# KiCad board NCU.kicad_pcb (continued)
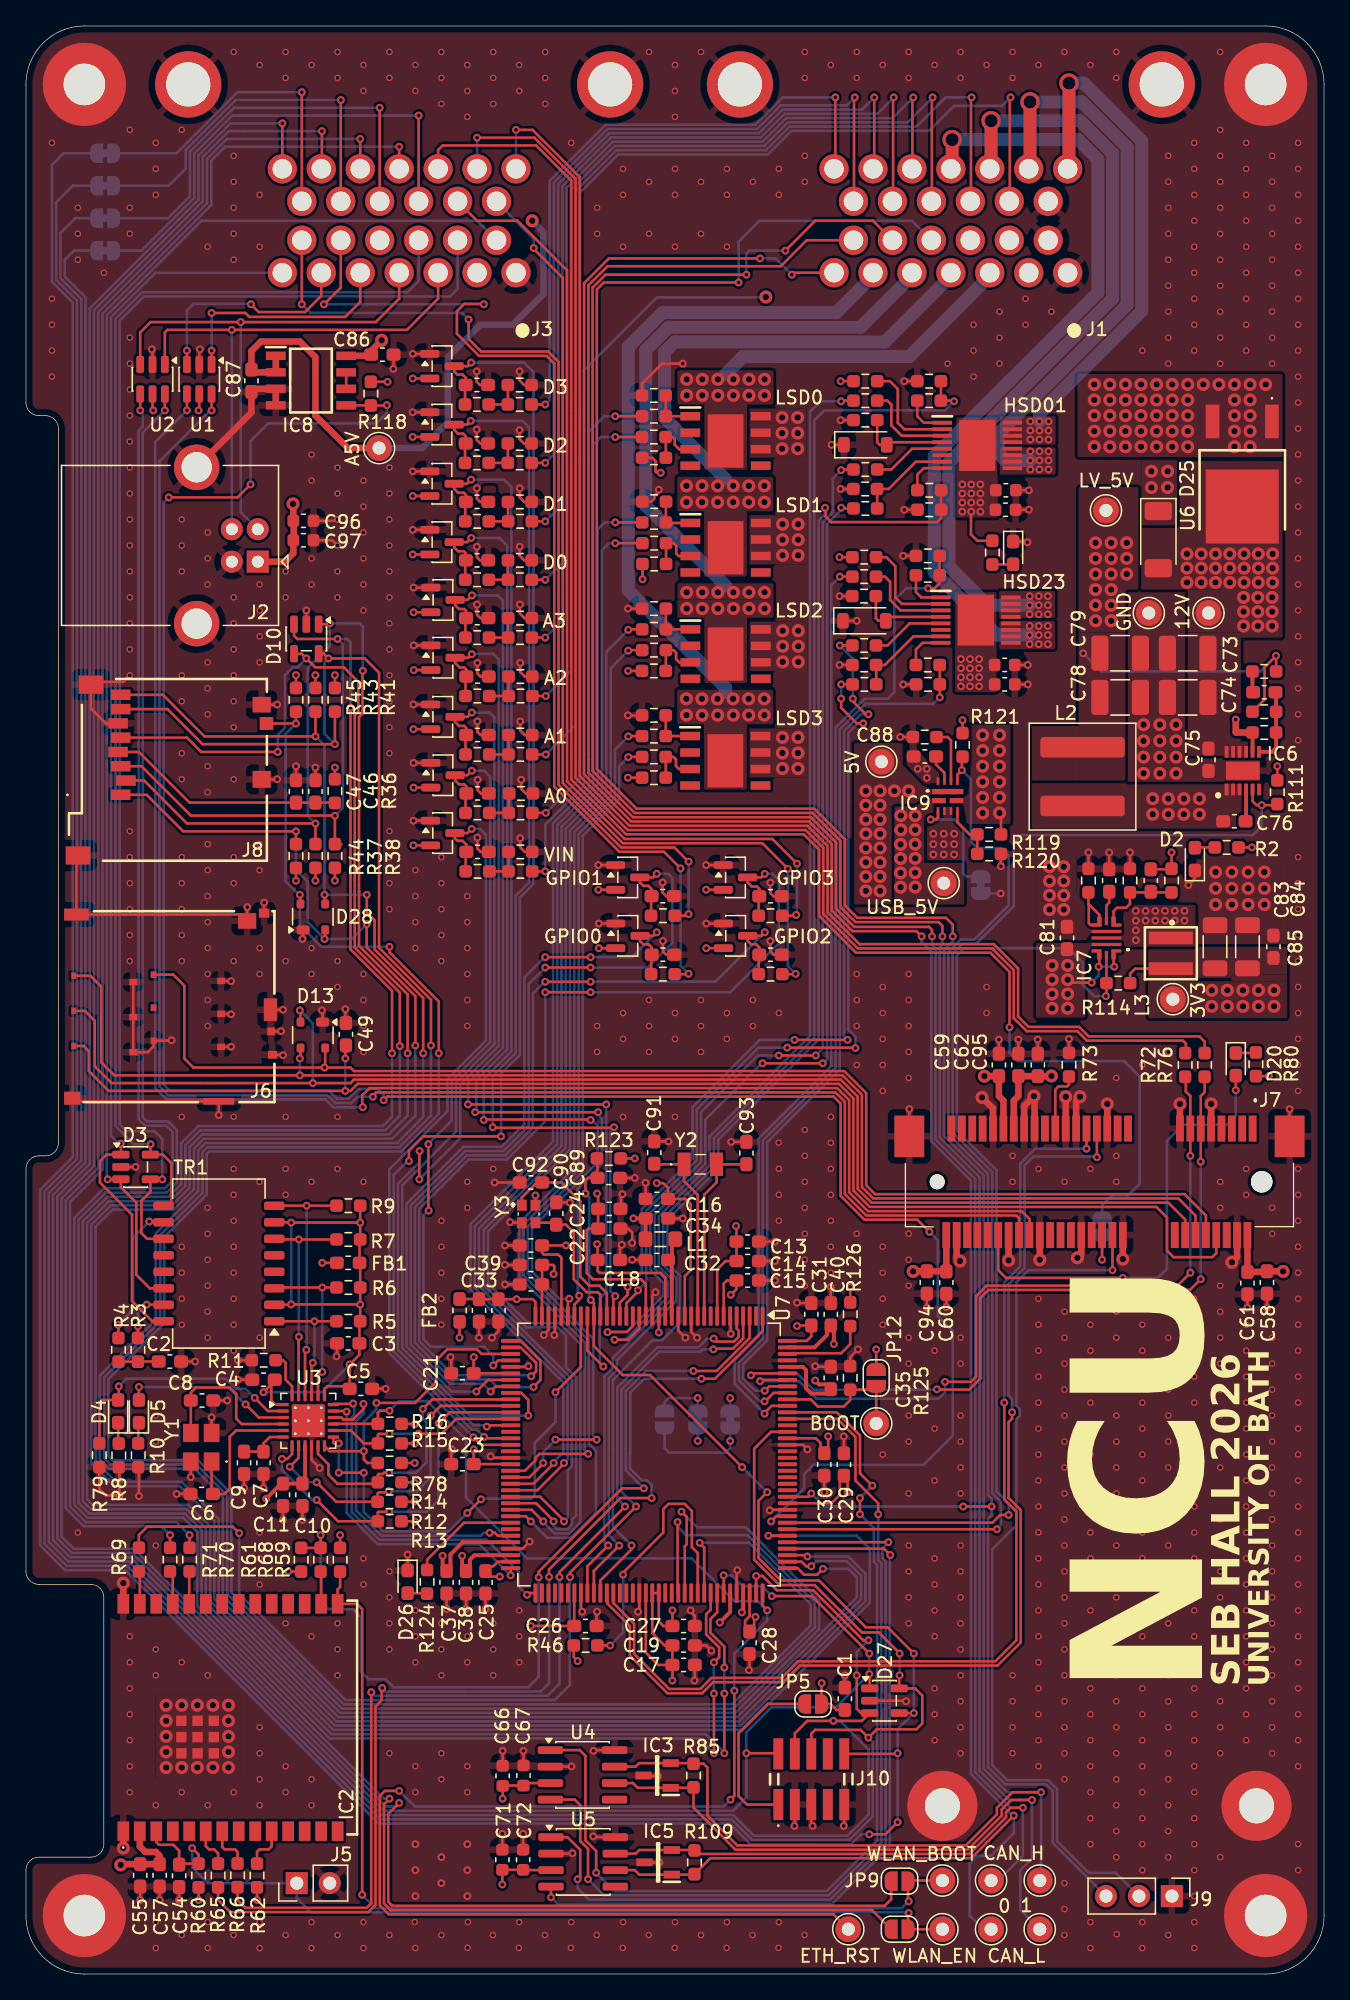
[diagram p0: board, top side]
## Nets (continued)
GND: C1.2 C2.2 C3.2 C4.2 C5.2 C6.2 C7.2 C8.2 C9.2 C10.2 C11.2 C12.2 C13.2 C14.2 C15.2 C16.2 C17.2 C18.2 C19.2 C20.2 C21.2 C22.2 C23.2 C24.2 C25.2 C26.2 C27.2 C28.2 C29.2 C30.2 C31.2 C32.2 C33.2 C34.2 C35.2 C36.2 C37.2 C38.2 C39.2 C40.2 C41.2 C42.2 C43.2 C44.2 C45.2 C46.2 C47.2 C48.2 C49.2 C50.2 C51.2 C52.2 C53.2 C54.2 C55.2 C56.2 C57.2 C58.2 C59.2 C60.2 C61.2 C62.2 C63.2 C64.2 C65.2 C66.2 C67.2 C68.2 C69.2 C70.2 C71.2 C72.2 C73.2 C74.2 C75.2 C78.2 C79.2 C80.2 C81.2 C83.2 C84.2 C85.2 C86.2 C87.2 C88.2 C89.2 C90.2 C91.2 C92.2 C93.2 C94.2 C95.2 C96.2 C97.2 D1.1 D2.1 D3.2 D6.1 D7.1 D8.1 D9.1 D10.2 D11.1 D13.1 D14.1 D15.1 D16.1 D17.1 D18.1 D19.1 D21.1 D22.1 D23.1 D24.1 D26.1 D27.2 D28.1 H1.1 H2.1 H3.1 H4.1 H5.1 H6.1 IC2.1 IC2.28 IC2.29 IC2.30 IC2.31 IC2.32 IC2.33 IC2.34 IC2.35 IC2.36 IC2.37 IC3.3 IC5.3 IC6.13 IC7.4 IC8.3 IC8.4 IC9.4 IC9.5 IC9.12 J1.1 J1.8 J1.14 J1.MH1 J1.MH2 J2.4 J2.5 J3.1 J3.MH1 J3.MH2 J5.2 J6.C5 J6.D1 J6.D2 J6.D3 J6.D4 J6.D5 J6.D6 J6.DSW1 J6.DSW2 J6.G1 J6.G2 J6.G3 J6.G4 J6.G5 J6.G6 J7.4 J7.9 J7.15 J7.18 J7.21 J7.26 J7.27 J7.29 J7.34 J7.35 J7.37 J7.40 J7.43 J7.50 J7.MP1 J7.MP2 J8.6 J8.G1 J8.G2 J8.G3 J8.G4 J9.1 J10.3 J10.5 J10.9 JP11.2 NT2.1 R8.1 R10.2 R11.1 R18.2 R22.2 R24.2 R25.2 R31.1 R32.2 R40.2 R48.2 R51.2 R54.2 R57.2 R64.2 R73.2 R75.2 R79.2 R82.2 R88.2 R92.2 R94.2 R95.2 R101.1 R102.2 R106.2 R115.1 R117.1 R120.2 R122.2 R125.2 S1.6 S1.7 S1.8 S2.6 S2.7 S2.8 S3.6 S3.7 S3.8 S4.6 S4.7 S4.8 TP2.1 U1.2 U2.2 U3.10 U3.25 U4.2 U4.8 U5.2 U5.8 U6.1 U7.6 U7.12 U7.14 U7.18 U7.33 U7.34 U7.41 U7.55 U7.69 U7.80 U7.89 U7.104 U7.118 U7.128 U7.141 Y1.2 Y1.4 Y3.2 Y3.4
/CARD_SD/SD_CD: D28.4 J8.9 R45.2 U7.99
/CARD_SD/SD_CLK: D10.4 J8.5 U7.111
/CARD_SD/SD_CMD: D10.3 J8.3 R38.2 U7.114
/CARD_SD/SD_DAT0: D10.5 J8.7 R41.2 U7.95
/CARD_SD/SD_DAT1: D28.3 J8.8 R43.2 U7.96
/CARD_SD/SD_DAT2: D28.2 J8.1 R44.2 U7.109
/CARD_SD/SD_DAT3: D10.1 J8.2 R37.2 U7.110
/CARD_SIM/USIM_CLK: D13.3 J6.C3 J7.12
/CARD_SIM/USIM_DATA: D13.4 J6.C7 J7.10
/CARD_SIM/USIM_RST: D13.2 J6.C2 J7.14
/CARD_SIM/USIM_VDD: C49.1 J6.C1 J7.8
/CONN_A/AIN_0: J1.15 R47.1
/CONN_A/AIN_1: J1.16 R17.1
/CONN_A/AIN_2: J1.17 R39.1
/CONN_A/AIN_3: J1.24 R50.1
/CONN_A/CAN0_H: IC5.2 J1.13 R109.1 TP16.1 U5.7
/CONN_A/CAN0_L: IC5.1 J1.7 R109.2 TP17.1 U5.6
/CONN_A/CAN1_H: IC3.2 J1.11 R85.1 TP14.1 U4.7
/CONN_A/CAN1_L: IC3.1 J1.12 R85.2 TP15.1 U4.6
/CONN_A/DIN_0: J1.18 R63.1
/CONN_A/DIN_1: J1.25 R53.1
/CONN_A/DIN_2: J1.19 R56.1
/CONN_A/DIN_3: J1.26 R74.1
/CONN_A/HSD_0: IC4.13 IC4.14 IC4.15 IC4.16 J1.20
/CONN_A/HSD_1: IC4.9 IC4.10 IC4.11 IC4.12 J1.21
/CONN_A/HSD_2: IC1.13 IC1.14 IC1.15 IC1.16 J1.22
/CONN_A/HSD_3: IC1.9 IC1.10 IC1.11 IC1.12 J1.23
/CONN_A/LSD_0: J1.3 S2.9
/CONN_A/LSD_1: J1.4 S1.9
/CONN_A/LSD_2: J1.5 S3.9
/CONN_A/LSD_3: J1.6 S4.9
/CONN_B/ESP_BOOT: J3.26 JP9.1
/CONN_B/ESP_EN: J3.25 JP10.1
/CONN_B/ESP_RX: J3.24 R71.2
/CONN_B/ESP_TX: J3.23 R70.2
/CONN_B/ETH_RXM: D3.5 J3.10 TR1.9
/CONN_B/ETH_RXP: D3.4 J3.9 TR1.11
/CONN_B/ETH_TXM: D3.3 J3.8 TR1.14
/CONN_B/ETH_TXP: D3.1 J3.7 TR1.16
/CONN_B/GPIO_0: J3.12 R108.1
/CONN_B/GPIO_1: J3.13 R34.1
/CONN_B/GPIO_2: J3.14 R35.1
/CONN_B/GPIO_3: J3.15 R84.1
/CONN_B/PCIE_RST: J3.22 JP13.2
/CONN_B/PCIE_RX: J3.21 R72.1
/CONN_B/PCIE_TX: J3.20 R76.1
/CONN_B/PCIE_USB_DM: J7.36 U1.4
/CONN_B/PCIE_USB_DP: J7.38 U1.6
/CONN_B/STM_SWDCLK: D27.3 J10.4 JP2.2 U7.107
/CONN_B/STM_SWDIO: D27.1 J10.2 JP1.2 U7.102
/CONN_B/STM_SWO: D27.5 J10.6 JP3.2 U7.130
/CONN_B/STM_USB_DM: U2.4 U7.100
/CONN_B/STM_USB_DP: U2.6 U7.101
/DRIVES/HSD0_CTRL: R94.1 R96.1 U7.82
/DRIVES/HSD1_CTRL: R95.1 R100.1 U7.83
/DRIVES/HSD01_EN: R97.1 U7.81
/DRIVES/HSD01_ISEN: R99.1 U7.20
/DRIVES/HSD01_SEL: R98.1 U7.21
/DRIVES/HSD2_CTRL: R24.1 R26.1 U7.136
/DRIVES/HSD3_CTRL: R25.1 R30.1 U7.137
/DRIVES/HSD23_EN: R27.1 U7.134
/DRIVES/HSD23_ISEN: R29.1 U7.22
/DRIVES/HSD23_SEL: R28.1 U7.23
/DRIVES/LSD0_CTRL: R86.2 U7.59
/DRIVES/LSD0_STAT: R87.2 U7.60
/DRIVES/LSD1_CTRL: R20.2 U7.61
/DRIVES/LSD1_STAT: R21.2 U7.62
/DRIVES/LSD2_CTRL: R90.2 U7.63
/DRIVES/LSD2_STAT: R91.2 U7.57
/DRIVES/LSD3_CTRL: R104.2 U7.64
/DRIVES/LSD3_STAT: R105.2 U7.58
/GPIO/GPIO0_IO: C70.1 D24.3 R108.2 U7.43
/GPIO/GPIO1_IO: C44.1 D8.3 R34.2 U7.44
/GPIO/GPIO2_IO: C45.1 D9.3 R35.2 U7.37
/GPIO/GPIO3_IO: C65.1 D22.3 R84.2 U7.38
/INPUTS/AIN0_IO: C50.1 D14.3 R49.2 U7.40
/INPUTS/AIN1_IO: C12.1 D6.3 R19.2 U7.45
/INPUTS/AIN2_IO: C48.1 D11.3 R42.2 U7.50
/INPUTS/AIN3_IO: C51.1 D15.3 R52.2 U7.28
/INPUTS/DIN0_IO: C56.1 D18.3 R67.2 U7.30
/INPUTS/DIN1_IO: C52.1 D16.3 R55.2 U7.31
/INPUTS/DIN2_IO: C53.1 D17.3 R58.2 U7.24
/INPUTS/DIN3_IO: C63.1 D19.3 R77.2 U7.52
/MCU/CAN0_RX: U5.4 U7.112
/MCU/CAN0_TX: U5.1 U7.113
/MCU/CAN1_RX: U4.4 U7.132
/MCU/CAN1_TX: U4.1 U7.133
/MCU/ESP_SPI_CLK: R65.1 U7.1
/MCU/ESP_SPI_CS: R61.2 R68.1 U7.3
/MCU/ESP_SPI_MISO: R69.2 U7.4
/MCU/ESP_SPI_MOSI: R66.1 U7.5
/MCU/ETH_CRS_DV: R14.2 U3.11 U7.46
/MCU/ETH_INT: R15.2 U3.14 U7.49
/MCU/ETH_MDC: U3.13 U7.29
/MCU/ETH_MDIO: R78.2 U3.12 U7.39
/MCU/ETH_RST: R16.2 TP20.1 U3.15 U7.108
/MCU/ETH_RXD0: R12.2 U3.8 U7.47
/MCU/ETH_RXD1: R13.2 U3.7 U7.48
/MCU/ETH_TXD0: U3.17 U7.72
/MCU/ETH_TXD1: U3.18 U7.73
/MCU/ETH_TXEN: U3.16 U7.67
/MCU/LV_PG: IC6.5 R111.1 U7.115
/MCU/PCIE_UART_CTS: J7.23 U7.84
/MCU/PCIE_UART_RTS: J7.25 U7.85
/MCU/PCIE_W_DISABLE: IC9.9 J9.3 R121.2 U7.120
/MCU/RCC_OSC32_IN: C93.1 U7.10 Y2.2
/MCU/RCC_OSC32_OUT: C91.1 U7.11 Y2.1
/MCU/RCC_OSC_IN: C92.1 U7.25 Y3.1
/MCU/RCC_OSC_OUT: C90.1 U7.26 Y3.3
/MCU/STM_NRST: C89.1 D27.4 J10.10 JP4.2 R123.2 U7.27
/MCU/VCAP: C35.1 C37.1 JP7.1 JP8.1 U7.68 U7.103 U7.140
/MCU/VFBSMPS: JP7.2 U7.17
/MCU/VLXSMPS: C32.1 L1.1 U7.15
/MCU/VREF+: C33.1 C36.1 C39.1 C41.1 FB2.2 U7.35 U7.36
/MOD_PCIE/UART_RX: J7.11 R76.2 U7.139
/MOD_PCIE/UART_TX: J7.13 R72.2 U7.138
/PWR/PWR_3V3/TPS_CF: IC7.7 IC7.12 R115.2
/PWR/PWR_3V3/TPS_FB: C82.2 IC7.5 IC7.11 R116.1 R117.2
/PWR/PWR_LV_5V/LMR_FB: C77.2 IC6.7 R110.1 R112.2
/PWR/PWR_LV_5V/LMR_SW: C76.1 IC6.1 IC6.2 IC6.3 L2.1
LV_5V: C78.1 C79.1 IC9.7 L2.2 R112.1 R113.1 R119.1 TP3.1
USB_VBUS: C96.1 C97.1 IC9.2 J2.1 J3.2 R46.2 TP6.1 U1.5 U2.5
Net-(C2-Pad1): C2.1 R3.2 R4.2
Net-(C77-Pad1): C77.1 R113.2
Net-(D1-A): D1.2 R1.2
Net-(D2-A): D2.2 R2.2
Net-(D4-A): D4.2 R79.1 U3.2
Net-(D4-K): D4.1 R8.2
Net-(D5-A): D5.2 U3.3
Net-(D5-K): D5.1 R10.1
Net-(D7-A): D7.2 IC1.4 R32.1
Net-(D20-A): D20.2 J7.42
Net-(D20-K): D20.1 R80.2
Net-(D23-A): D23.2 IC4.4 R102.1
Net-(D26-A): D26.2 R124.2
Net-(IC1-CS): IC1.7 R29.2 R31.2
Net-(IC1-INPUT0): IC1.1 R26.2
Net-(IC1-INPUT1): IC1.8 R30.2
Net-(IC1-SEL0): IC1.5 R28.2
Net-(IC1-SEN): IC1.3 R27.2
Net-(IC1-~{FAULTRST}): IC1.2 R33.2
Net-(IC2-EN): C54.1 IC2.3 J5.1 JP10.2 R60.2 TP11.1
Net-(IC2-IO2): IC2.27 R69.1
Net-(IC2-IO6): IC2.6 R65.2
Net-(IC2-IO7): IC2.7 R66.2
Net-(IC2-IO8): IC2.10 R62.2
Net-(IC2-IO9): IC2.15 JP9.2 R59.2 TP10.1
Net-(IC2-IO18): IC2.16 R68.2
Net-(IC2-RXD0): IC2.24 R70.1
Net-(IC2-TXD0): IC2.25 R71.1
Net-(IC4-CS): IC4.7 R99.2 R101.2
Net-(IC4-INPUT0): IC4.1 R96.2
Net-(IC4-INPUT1): IC4.8 R100.2
Net-(IC4-SEL0): IC4.5 R98.2
Net-(IC4-SEN): IC4.3 R97.2
Net-(IC4-~{FAULTRST}): IC4.2 R103.2
Net-(IC6-AGND): IC6.8 NT2.2 R110.2
Net-(IC6-BOOT): C76.2 IC6.4
Net-(IC7-SS/TR): C80.1 IC7.6
Net-(IC7-SW): IC7.3 L3.1
Net-(IC8-FEEDBACK): IC8.6 IC8.7
Net-(IC9-CP2): IC9.3 JP11.1
Net-(IC9-ILIM): IC9.10 R122.1
Net-(IC9-PR1): IC9.6 R119.2 R120.1
Net-(IC9-SS): C88.1 IC9.11
Net-(J2-D+): J2.3 J3.3 U2.1
Net-(J2-D-): J2.2 J3.4 U2.3
Net-(J3-Pad5): J3.5 U1.1
Net-(J3-Pad6): J3.6 U1.3
Net-(J7-Pad31): J7.31 R73.1
Net-(J8-VDD): C46.1 C47.1 J8.4 R36.1
Net-(J9-Pin_2): J7.20 J9.2
Net-(JP1-A): J3.16 JP1.1
Net-(JP2-A): J3.17 JP2.1
Net-(JP3-A): J3.18 JP3.1
Net-(JP4-A): J3.19 JP4.1
Net-(JP5-A): J10.1 JP5.1
Net-(JP12-A): JP12.1 R125.1 TP18.1 U7.135
Net-(JP13-A): J7.22 JP13.1
Net-(R17-Pad2): R17.2 R18.1 R19.1
Net-(R39-Pad2): R39.2 R40.1 R42.1
Net-(R47-Pad2): R47.2 R48.1 R49.1
Net-(R50-Pad2): R50.2 R51.1 R52.1
Net-(R53-Pad2): R53.2 R54.1 R55.1
Net-(R56-Pad2): R56.2 R57.1 R58.1
Net-(R63-Pad2): R63.2 R64.1 R67.1
Net-(R74-Pad2): R74.2 R75.1 R77.1
Net-(R81-Pad2): R81.2 R82.1 R83.1
Net-(S1-IN): R20.1 R22.1 S1.1
Net-(S1-STATUS): R21.1 R23.2 S1.3
Net-(S2-IN): R86.1 R88.1 S2.1
Net-(S2-STATUS): R87.1 R89.2 S2.3
Net-(S3-IN): R90.1 R92.1 S3.1
Net-(S3-STATUS): R91.1 R93.2 S3.3
Net-(S4-IN): R104.1 R106.1 S4.1
Net-(S4-STATUS): R105.1 R107.2 S4.3
Net-(TR1-C_RD): C3.1 C4.1 C5.1 FB1.1 R5.1 R6.1 R7.1 R9.1 TR1.2 TR1.7 U3.1 U3.19
Net-(TR1-C_RX): R4.1 TR1.10
Net-(TR1-C_TX): R3.1 TR1.15
Net-(TR1-RD+): R7.2 TR1.6 U3.23
Net-(TR1-RD-): R9.2 TR1.8 U3.22
Net-(TR1-TD+): R5.2 TR1.1 U3.21
Net-(TR1-TD-): R6.2 TR1.3 U3.20
Net-(U3-RBIAS): R11.2 U3.24
Net-(U3-VDDCR): C7.1 C9.1 U3.6
Net-(U3-XTAL1/CLKIN): C6.1 U3.5 Y1.1
Net-(U3-XTAL2): C8.1 U3.4 Y1.3
Net-(U7-PA9): R46.1 U7.98
Net-(U7-PDR_ON): R126.2 U7.142
Net-(U7-PE15): R124.1 U7.65

Pads without a net: IC1 6; IC2 4 5 8 9 11 12 13 14 17 18 19 20 21 22 23 26; IC4 6; IC6 6; J6 C6; J7 1 3 5 6 7 16 17 19 24 28 30 32 33 44 45 46 47 48 49 51; J10 7 8; S1 2 4 5; S2 2 4 5; S3 2 4 5; S4 2 4 5; TR1 4 5 12 13; U4 5; U5 5; U7 2 9 51 54 66 74 75 76 77 78 86 87 88 93 94 97 121 122 123 124 125 126 127 131

## Via types
v1: diameter 0.5, hole 0.3, Top to Bottom, 812 vias
v2: diameter 1, hole 0.5, Top to Bottom, 309 vias
v3: diameter 0.6, hole 0.3, Top to Bottom, 718 vias
v4: diameter 1.5, hole 1, Top to Bottom, 4 vias

## Routing (per net, layer and track width the routed paths; a pad name or vN(x,y) marks a point on that pad's centre or on a via; arc(x,y) is an arc through that point)
3V3: length 310.4
  Top w0.2: v3(44,60.1) 44,60 44.08,59.93 C24.1 C22.1 43.34,57.4 43.2,57.26 43.2,53.98 43.68,53.5 47.38,53.5 47.75,53.13 U7.19 ; R78.1 v3(29.95,39.35) ; U7.129 60.85,41.25 61.2,40.9 61.2,40.4 C30.1 61.8,40.4 v3(61.8,41.4) ; v3(29.93,36.39) 29.9,36.36 R12.1 ; R80.1 95.74,69.14 v3(95.75,69.15) ; v3(34.5,47.5) 34.5,47.4 34.49,47.39 C21.1 37.33,46.26 U7.42 ; R36.2 v3(23.8,92.9) ; C82.1 88.2,85.06 R116.2 v3(88.25,86.36) ; U7.7 53.75,53.15 54,53.4 C15.1 54.74,52.74 v3(54.3,52.3) ; D11.2 v3(29.88,100.41) ; D22.2 v3(52.39,83.49) ; v3(56.2,27.5) 56.1,27.4 56.1,26.5 55.95,26.35 55.75,26.35 C28.1 55.54,26.36 55.4,26.5 55.4,27.2 55.75,27.55 U7.106 ; R13.1 29.96,34.86 v3(29.98,34.84) ; D6.2 v3(29.85,95.86) ; R15.1 29.93,40.86 v3(29.95,40.84) ; U7.56 37.33,39.26 C23.1 34.49,40.39 v3(34.5,40.4) ; R93.1 v3(46.38,100.34) ; v3(38.89,26.8) C26.1 42.24,29.32 U7.79 ; v3(59.4,49.9) 59.44,49.94 C31.1 60.5,49.1 60.15,48.75 U7.144 ; D16.2 v3(29.8,113.81) ; C1.1 62.45,20.33 61.98,20.79 61.28,20.79 61.28,22.38 v3(61.3,22.4) ; v3(48.9,115.6) 48.6,115.6 48.5,115.7 48.5,116.5 48.25,116.75 R89.1 ; C20.1 v3(41.6,56.1) ; C20.1 39.76,55.54 39.9,55.4 41,55.4 41.25,55.15 U7.32 ; C20.1 39.8,56.1 ; D17.2 v3(29.79,118.36) ; FB1.2 v3(22.83,54.76) ; R118.2 27.85,122.6 v3(27.86,122.59) ; U7.119 62.05,36.25 62.7,36.9 62.7,38.2 62.87,38.37 C29.1 63.03,38.37 63.3,38.1 v3(63.3,37.1) ; R37.1 v3(22.3,84.19) ; v3(20.2,31) 20.21,30.99 R61.1 ; v3(29.86,91.36) D14.2 ; R14.1 29.91,37.86 v3(29.93,37.84) ; R103.1 v3(62.76,122.65) ; U4.3 38.52,14.7 C67.1 36.75,14.51 C66.1 v3(36.72,13.5) ; v3(96.4,93) R111.2 ; D21.2 v3(29.85,86.91) ; R16.1 29.93,42.36 v3(29.95,42.34) ; R123.1 v3(46.9,62.8) ; D8.2 v3(44.09,83.49) ; v3(49.8,28) C27.1 49.1,26.8 48.75,27.15 U7.92 U7.91 48.25,26.25 49.2,25.3 C19.1 C17.1 ; R114.2 85.06,77.02 85.45,77.41 L3.2 ; JP12.2 v3(65.5,48.1) ; R2.1 v3(94.45,86.75) ; U7.8 53.25,54.25 53.9,54.9 C14.1 C13.1 54.74,57.56 v3(54.7,57.6) ; v3(47.5,107.4) 47.5,108.56 R23.1 ; R44.1 v3(20.8,84.19) ; v3(36.7,6.9) C71.1 C72.1 38.33,8 U5.3 ; R45.1 v3(20.8,100.01) ; R60.1 v3(13.3,5.7) ; v3(36.5,30.6) 35.7,30.6 35.4,30.9 C25.1 35.78,31.4 36,31.4 36.35,31.75 U7.71 ; C17.1 v3(49.8,22.6) ; C17.1 48.7,23.8 47.75,24.75 U7.90 ; R33.1 v3(62.67,109.1) ; R126.1 v3(63.5,52.9) ; D18.2 v3(29.8,109.31) ; D15.2 v3(29.86,104.86) ; 7.36,8.46 v2(7.3,8.4) ; R43.1 v3(22.3,100.01) ; v3(44,56.2) 44.04,56.16 C18.1 44.04,54.14 44.2,53.98 48.9,53.98 49.25,53.63 U7.16 ; 8.8,10.97 IC2.2 ; D9.2 v3(52.41,78.99) ; U7.13 50.75,53.73 51.2,54.18 51.2,59.28 50.8,59.68 C16.1 49.46,60.54 49.1,60.9 v3(48.6,60.9) ; D24.2 v3(44.13,78.99) ; v3(72.15,96.55) R121.1 ; FB2.1 v3(33.4,49) ; D19.2 v3(29.8,122.86) ; R59.1 v3(24.2,33.8) ; R38.1 v3(23.8,84.19) ; R62.1 v3(17.8,5.7) ; R107.1 v3(46.37,92.12) ; R41.1 v3(23.8,100.01)
  Top w0.3: v3(18.5,36.6) 19.66,37.76 C11.1 C10.1 21.5,37.96 U3.9
  Top w0.5: v2(79,69.15) 78.99,69.14 C95.1 C62.1 76.45,67.6 76.1,67.25 J7.39 ; 7.36,8.46 C55.1 C57.1 10.3,9.1 10,9.4 9.2,9.4 8.77,9.83 IC2.2 ; J7.52 C60.1 70.89,54.11 C94.1 68.36,54.11 v2(68.35,54.1) ; J7.41 75.3,67.25 74.95,67.6 C59.1 v2(73.84,69.14) 73.8,69.1 ; J7.2 C61.1 95.55,54.06 C58.1 96.84,54.11 v2(96.85,54.1)
  In1.Cu w0.2: v3(47.5,107.4) 47.5,101.46 v3(46.38,100.34) ; 65,118.5 67.3,118.5 68.9,116.9 68.9,98.2 69.4,97.7 71.7,97.7 72.15,97.25 v3(72.15,96.55) ; 65,118.5 65,111.42 v3(62.67,109.1) ; 65,118.5 65,121.1 63.45,122.65 v3(62.76,122.65) ; v3(29.8,113.81) 29.2,114.41 29.2,117.77 v3(29.79,118.36) ; v3(29.88,100.41) 29.39,100.41 28.8,101 28.8,103.79 v3(29.86,104.86) 29.54,104.86 28.8,105.6 28.8,108.31 v3(29.8,109.31) ; v3(96.4,93) 97.1,93 97.9,92.2 97.9,88.2 97,87.3 89.19,87.3 v3(88.25,86.36)
  vias: v2(91.35,75.75) v2(91.35,74.51) v2(92.55,75.75) v2(92.55,74.51) v2(93.75,75.75) v2(93.75,74.51) v2(94.95,75.75) v2(94.95,74.51) v2(96.15,75.75) v2(96.15,74.51)
5V: length 9.1
  Top w0.2: 82.64,77.66 82.64,77.7 82.69,77.75 IC7.13 82.68,78.4 82.68,78.78 IC7.8 ; v2(80.25,76.56) 80.47,76.34 v3(82.1,76.34) ; IC7.1 83.8,78.78 83.78,78.75 83.79,78.74 IC7.10 83.79,77.74 83.84,77.69 83.84,77.66 ; 83.5,79.28 IC7.2
  Top w0.4: IC9.8 IC9.1 ; 80.05,78.76 C81.1
  Bottom w0.2: v3(82.1,76.34) 82.64,76.88 v3(82.64,77.56) v3(83.84,77.56)
  vias: v2(64.7,91.1) v2(64.7,90) v2(64.7,88.9) v2(64.7,87.8) v2(64.7,86.7) v2(64.7,85.6) v2(64.7,84.5) v2(64.7,83.4) v2(65.8,91.1) v2(65.8,90) v2(65.8,88.9) v2(65.8,87.8) v2(65.8,86.7) v2(65.8,85.6) v2(65.8,84.5) v2(65.8,83.4) v2(66.9,91.1) v2(68,91.1) v2(79.05,77.66) v2(79.05,76.56) v2(79.05,75.46) v2(79.05,74.36) v2(80.25,77.66) v2(80.25,75.46) v2(80.25,74.36)
12V: length 0.1
  Top w0.3: 75.83,133.42 J1.9
  vias: v2(82.3,122.4) v2(82.3,121.2) v2(82.3,120) v2(82.3,118.8) v2(82.3,117.6) v2(83.5,122.4) v2(83.5,121.2) v2(83.5,120) v2(83.5,118.8) v2(83.5,117.6) v2(84.7,122.4) v2(84.7,121.2) v2(84.7,120) v2(84.7,118.8) v2(84.7,117.6) v2(85.9,122.4) v2(85.9,121.2) v2(85.9,120) v2(85.9,118.8) v2(85.9,117.6) v2(87.1,122.4) v2(87.1,121.2) v2(87.1,120) v2(87.1,118.8) v2(87.1,117.6) v2(88.3,122.4) v2(88.3,121.2) v2(88.3,120) v2(88.3,118.8) v2(88.3,117.6) v2(89.5,122.4) v2(89.5,121.2) v2(89.5,120) v2(89.5,118.8) v2(89.5,117.6) v2(90.7,122.4) v2(91.9,122.4) v2(93.1,122.4) v2(93.1,121.2) v2(93.1,120) v2(93.1,118.8) v2(93.1,117.6) v2(94.3,122.4) v2(94.3,121.2) v2(94.3,120) v2(94.3,118.8) v2(94.3,117.6) v2(95.5,122.4)
12V_PRT: length 117.4
  Top w0.2: R81.1 v3(40,84.91) ; R1.1 73.29,110.36 72.8,110.85 72.8,112.58 v3(72.83,112.6)
  Top w0.5: v2(27.4,125.8) 26.59,125 C86.1 26.5,124.6 IC8.8
  In1.Cu w1: v2(27.4,125.8) 27.56,125.96 53.86,125.96 57,129.1 v2(57,129.13) 57.03,129.1 59.6,129.1 72.12,116.58 v3(72.12,114.7)
  Bottom w0.2: v2(57,129.13) 56.97,129.1 48.6,129.1 42.97,123.47 42.97,91.47 40,88.5 v3(40,84.91)
  vias: v2(89.44,109.35) v2(89.44,108.25) v2(89.44,107.15) v2(90.54,109.35) v2(90.54,108.25) v2(90.54,107.15) v2(91.64,109.35) v2(91.64,108.25) v2(91.64,107.15) v2(92.74,109.35) v2(92.74,108.25) v2(92.74,107.15) v2(93.84,109.35) v2(93.84,108.25) v2(93.84,107.15) v2(93.8,106) v2(93.8,104.9) v2(93.8,103.8) v2(94.94,109.35) v2(94.94,108.25) v2(94.94,107.15) v2(94.9,106) v2(94.9,104.9) v2(94.9,103.8) v2(96.04,109.35) v2(96.04,108.25) v2(96.04,107.15) v2(96,106) v2(96,104.9) v2(96,103.8) v3(72.03,101.25) v3(72.03,100.55) v3(72.03,99.85) v3(72.03,99.15) v3(72.12,114) v3(72.12,113.3) v3(72.12,112.6) v3(72.72,101.25) v3(72.72,100.55) v3(72.72,99.85) v3(72.72,99.15) v3(72.83,114.7) v3(72.83,114) v3(72.83,113.3) v3(73.42,101.25) v3(73.42,100.55) v3(73.42,99.85) v3(73.42,99.15) v3(73.53,114.7) v3(73.53,114) v3(73.53,113.3) v3(73.53,112.6)
/INPUTS/12V_IO: length 61.5
  Top w0.2: R83.2 33.88,86.36 ; v3(34.34,88.18) 34.02,87.86 D21.3 33.04,87.46 33.24,87.26 33.64,87.26 33.92,86.97 C64.1 ; v3(34.47,41.32) 35.05,40.75 U7.53
  Bottom w0.2: v3(34.34,88.18) 34.98,88.18 35.43,87.72 35.43,71.87 32.47,68.91 32.47,66.44 28,61.97 28,47.8 v3(34.47,41.32)
/MCU/3V3_PG: length 79.4
  Top w0.2: IC7.9 R114.1 83.24,75.34 v3(83.2,75.3) ; U7.116 74.45,34.75 75.05,35.35 v3(75.7,35.35)
  Bottom w0.2: v3(83.2,75.3) 82.29,75.3 81.4,76.19 81.4,77.9 80.3,79 72.29,79 71.71,78.42 71.71,64.95 74.77,61.9 74.77,37.16 75.7,36.23 v3(75.7,35.35)
/MCU/A5V_PG: length 174.8
  Top w0.2: v3(57.4,34.85) 57.8,35.25 U7.117 ; v3(17.3,114.7) 16.3,113.7 v3(11,113.7) ; IC8.5 26.56,120.79 R118.1 27.78,120.78 v3(27.8,120.8) ; v3(27.56,67.29) 27.83,67.56 62.22,67.56 62.76,67.02 62.76,59.92 64.6,58.08 68.67,58.08 v3(69.6,57.15)
  Bottom w0.2: v3(69.6,57.15) 70.25,56.5 70.25,50.65 71.4,49.5 71.4,41.45 69.15,39.2 60.65,39.2 59.95,38.5 59.95,37.4 v3(57.4,34.85) ; v3(27.8,120.8) 27.8,120.2 27,119.4 18.65,119.4 17.3,118.05 v3(17.3,114.7) ; v3(27.56,67.29) 27.56,67.71 27.11,68.15 26.48,68.15 26.47,68.15 25.6,68.15 24.85,67.4 23.95,67.4 23.35,68 11.1,68 10.61,68.49 10.61,113.31 v3(11,113.7)
/MCU/MCU Power/1V2_MCU: length 23.2
  Top w0.3: 47.7,58.18 47.7,57.89 47.72,57.87 L1.2 ; v3(46.8,58.18) C34.1
  In1.Cu w0.5: v3(51.75,44.35) 49.75,46.35 49.75,55.85 47.42,58.18 v3(46.8,58.18)
  Bottom w0.2: JP8.2 49.2,44.05 49.5,44.35 v3(51.75,44.35) JP6.1
/MCU/MCU Power/VDDLDO: length 81.2
  Top w0.3: U7.105 55.25,28 55.15,27.9 v3(55.15,27.85) ; v3(62.24,48.51) 62.24,49.7 C40.1 61.74,49.94 61.7,49.9 61.7,49.2 60.75,48.25 U7.143 ; v3(33.6,32.2) 33.6,31.32 C38.1 34.2,31.32 34.2,31.9 34.55,32.25 U7.70
  In1.Cu w0.5: v3(33.6,32.2) 34.3,31.5 50.2,31.5 51.95,29.75 51.95,26.45 52.6,25.8 54.1,25.8 55.15,26.85 v3(55.15,27.85) 58.2,30.9 58.2,39.9 62.24,43.94 v3(62.24,48.51) 56.36,48.51 55.1,47.25 55.1,43.2 52.95,41.05 v3(51.75,41.05)
  Bottom w0.2: JP6.2 v3(51.75,41.05)
A5V: length 68.6
  Top w0.5: TP4.1 24.8,117.5 22.3,120 22.3,124.5 21.1,125.7 18.1,125.7 17.37,124.97 C87.1 17.58,123.33 IC8.2 IC8.1
  In1.Cu w0.5: v2(39,135) 60.3,135
  Bottom w0.5: TP4.1 30.5,117.5 32.5,119.5 32.5,124.5 35,127 37.5,127 39.87,129.37 39.87,134.13 v2(39,135)
GND: length 336.1
  Top w0.2: v3(42.85,27.9) 42.75,28 U7.80 ; C61.2 v3(94.1,51.3) ; v3(42.03,15.99) 42.01,15.97 U4.2 ; R22.2 48.17,113.37 48.4,113.6 48.4,113.8 48.75,114.15 v3(48.75,114.29) ; R94.2 v3(67.66,122.65) ; U7.34 40.25,49.6 39.9,49.25 v3(39.9,49.2) ; v3(51.5,22.6) 51.53,22.62 C17.2 ; v3(55.7,23.4) 55.74,23.44 C28.2 ; U2.2 9.75,125.05 v3(9.7,125.1) ; R40.2 38.42,99.91 38.08,100.26 v3(38.08,100.96) ; v3(46.7,55) 47.72,55 C32.2 ; C33.2 v3(34.9,49) ; C69.2 v3(77.26,114.25) ; v3(19.65,72.6) 19.63,72.58 J6.DSW2 ; R25.2 v3(67.58,99.3) ; C46.2 v3(22.3,92.9) ; D8.1 v3(44.09,85.39) ; J6.D3 J6.D2 J6.D1 9.38,70.98 9.84,71.44 J6.C5 11.18,71.87 v3(11.21,71.9) ; C50.2 35.05,90.91 34.8,91.16 v3(34.8,91.96) ; U7.6 54.3,50.61 v3(54.3,49.3) ; C45.2 57.59,78.49 57.34,78.74 v3(57.34,79.54) ; R82.2 38.42,86.41 38.08,86.76 v3(38.08,87.46) ; C44.2 49.32,83 49.04,83.28 v3(49.04,84.05) ; v3(64.1,48.1) 63.5,47.5 R125.2 ; U7.55 35.91,39.75 v3(35.8,39.86) ; v3(23.92,47.56) 23.96,47.6 C3.2 ; U7.12 51.25,49.45 v3(51.7,49) ; v3(32.7,47.5) 32.76,47.44 C21.2 ; C38.2 v3(33.9,28.1) ; C2.2 v3(13.02,47.16) ; R57.2 38.35,117.86 38.03,118.18 v3(38.03,118.88) ; C11.2 v3(19.8,34.96) ; v3(81.85,86.36) R115.1 ; v3(49.5,64.1) 49.49,64.11 C91.2 ; C7.2 v3(18.3,37.43) ; R32.2 v3(62.67,106.1) ; C14.2 v3(57.7,54.9) ; R101.1 v3(62.76,114.35) ; R24.2 v3(67.58,109.2) ; v3(43.7,10.6) 43.76,10.54 U5.8 ; C37.2 v3(32.4,28.1) ; 62,47.2 C35.2 60.84,46.76 v3(60.8,46.8) ; D1.1 77.1,110.3 v3(77.15,110.25) ; v3(45.9,56.15) 45.9,56.1 45.76,55.96 C18.2 ; D22.1 v3(52.39,85.39) ; C22.2 46.4,57.4 46.7,57.1 v3(46.7,56.3) ; J10.5 60.5,11.5 v3(60.6,11.4) ; U7.128 59.85,40.75 v3(60.2,40.4) ; C36.2 36.4,49.5 v3(35.9,49) ; v3(34.78,96.46) 34.78,95.66 35.03,95.41 C12.2 ; 7.2,39.03 v3(7.2,36.85) 6.15,36.85 5.65,37.35 R79.2 ; v3(50.6,124) 49,124 47.45,122.45 R88.2 ; v1(8,100) 7.5,99.5 5.23,99.5 J8.G2 5.01,97.44 6.15,96.3 J8.6 ; Y1.4 v3(12.7,38.26) ; D21.1 v3(29.85,88.81) ; J10.3 59.23,11.43 v3(59.2,11.4) ; Y1.2 v3(14.3,42.86) ; U7.41 38.65,46.75 v3(38.7,46.8) ; v3(57.3,35.7) 57.35,35.75 U7.118 ; C64.2 35.03,86.41 34.78,86.66 v3(34.78,87.51) ; U4.8 43.78,17.24 v3(43.72,17.19) ; D18.1 v3(29.8,111.21) ; v3(13.4,125.1) 13.35,125.05 U1.2 ; v1(24,112) 23.9,111.9 C96.2 ; C24.2 45.84,58.96 45.84,59.94 v3(45.95,60.05) ; v3(19.35,97.75) 19.34,97.74 J8.G3 ; v3(41.9,59.4) 41.88,59.43 C90.2 ; R102.2 v3(62.76,119.65) ; C58.2 v3(95.6,51.3) ; D7.1 v3(64,104.2) ; C48.2 35.03,99.91 34.78,100.16 v3(34.78,100.96) ; 8.7,39.04 v3(8.7,36.8) ; J6.D5 15.77,73.93 v3(15.8,73.9) ; v3(59.4,51.7) 59.44,51.66 C31.2 ; J10.9 63.04,11.44 v3(63,11.4) ; C19.2 52.4,25.3 v3(52.8,24.9) ; C20.2 v3(36.9,56.1) ; v3(34.74,114.41) 34.74,113.61 34.99,113.36 C52.2 ; v3(21.3,79.7) 21.35,79.75 D28.1 ; D2.1 90.05,84.35 v3(89.55,83.85) ; v3(38.08,96.46) 38.08,95.76 38.42,95.41 R18.2 ; R51.2 38.4,104.41 38.05,104.76 v3(38.05,105.46) ; C15.2 v3(57.7,53.4) ; D10.2 v3(21.6,105) ; D13.1 22.85,74.05 22.8,74.1 v3(22.8,74.2) ; C68.2 v3(77.26,112.75) ; C62.2 v3(76.45,71.95) ; C42.2 v3(77.17,99.3) ; R11.1 v3(16.33,47.26) ; v3(57.34,84.04) 57.34,83.24 57.59,82.99 C65.2 ; R31.1 v3(62.67,100.8) ; D15.1 v3(29.86,106.76) ; v3(50.8,49) 50.25,49.55 U7.14 ; v3(22.62,38.96) 22,39.59 U3.10 ; J6.D6 15.78,76.47 v3(15.8,76.45) ; C56.2 34.99,108.86 34.74,109.11 v3(34.74,109.91) ; C29.2 63.01,41.39 v3(63,41.4) ; C66.2 v3(36.72,17.19) ; v3(34.72,123.41) 34.72,122.61 34.97,122.36 C63.2 ; C71.2 v3(36.7,10.8) ; U7.104 54.75,31.05 v3(54.8,31.1) ; C97.2 23.6,110.4 v1(24,110) ; C26.2 43.96,27.86 v3(44,27.9) ; C30.2 v3(61.5,37.1) ; C95.2 v3(77.95,71.95) ; C9.2 v3(16.8,37.43) ; v3(28.3,123.6) 28.32,123.62 C86.2 ; D16.1 v3(29.8,115.71) ; C41.2 v3(36.9,53.1) ; U5.2 42.07,9.27 v3(42.1,9.3) ; C67.2 v3(38.33,17.19) ; J6.G3 v3(19.8,74.25) ; C51.2 35,104.41 34.75,104.66 v3(34.75,105.46) ; v3(38.04,114.41) 38.04,113.71 38.39,113.36 R54.2 ; 24.6,73.22 v3(24.6,74.3) ; R120.2 75.1,86.24 v3(75.1,85.3) ; R64.2 38.39,108.86 38.04,109.21 v3(38.04,109.91) ; C43.2 v3(77.17,100.8) ; C6.2 v3(11.6,36.96) ; J8.G4 19.34,91.99 v3(19.35,92) ; R48.2 38.5,90.91 38.15,91.26 v3(38.15,91.96) ; D6.1 v3(29.85,97.76) ; v3(47.15,27.9) 47.25,28 U7.89 ; v3(49.07,79.54) 49.07,78.74 49.32,78.49 C70.2 ; v3(37.3,57.9) 37.4,57.9 37.45,57.85 Y3.2 ; D23.1 v3(62.06,117.75) ; D27.2 67.76,21.04 v3(67.8,21) ; R122.2 v3(67.35,95.25) ; C5.2 v3(27.7,45.06) ; v3(15.8,71.4) 15.79,71.39 J6.D4 ; D26.1 v3(29.4,32.3) ; U7.33 40.75,49.25 v3(40.7,49.2) ; C53.2 35,117.86 34.72,118.13 v3(34.72,118.93) ; v3(38.03,123.41) 38.03,122.71 38.38,122.36 R75.2 ; C23.2 32.76,40.36 v3(32.8,40.4) ; J7.MP1 v3(97.35,66.6) ; C25.2 v3(35.4,28.1) ; U7.69 38.25,32.75 v3(38.8,33.3) ; C94.2 v3(69.4,51.3) ; C57.2 v3(10.3,5.7) ; J6.G5 3.8,67.2 J6.G4 v3(14.85,66.14) ; C10.2 v3(21.3,34.96) ; J8.G1 3.89,86.01 J6.G1 16.55,81.58 J6.G2 17.04,82.14 v3(17.05,82.15) ; 80.35,71.11 v3(80.35,72) ; v3(83.45,86.36) C80.2 ; v3(48.5,52.5) 48.25,52.25 U7.18 ; D19.1 v3(29.8,124.76) ; C8.2 v3(15.5,44.16) ; C34.2 v3(50.6,58.18) ; C72.2 v3(38.3,10.8) ; D14.1 v3(29.86,93.26) ; C59.2 v3(74.95,71.95) ; C39.2 v3(36.9,54.6) ; D17.1 v3(29.79,120.26) ; C55.2 v3(8.8,5.7) ; 47.58,15.24 v3(48.67,15.24) ; J6.DSW1 18.34,82.49 v3(18.35,82.5) ; v3(54.33,64.07) C93.2 ; R92.2 v3(46.38,105.14) ; v3(19.8,70.75) 19.77,70.78 J6.G6 ; C4.2 v3(16.33,45.76) ; IC5.3 v3(48.8,8.6) ; D11.1 v3(29.88,102.31) ; v3(51.2,28) 51.2,27.9 51.53,27.57 C27.2 ; D3.2 v3(8.45,62.14) ; R95.2 v3(67.66,112.75) ; C13.2 v3(57.7,56.4) ; C54.2 v3(11.8,5.7) ; D9.1 v3(52.41,80.89) ; v3(39.25,59.95) Y3.4 ; D24.1 v3(44.13,80.89) ; C47.2 v3(20.8,93) ; v3(36.1,60.95) C92.2 ; C1.2 v3(63.08,22.99) ; C89.2 v3(46.9,61.3) ; C16.2 v3(47.74,60.92) ; R106.2 v3(46.37,96.92) ; R117.1 v3(85.05,86.36) ; C40.2 v3(62,52.9) ; C60.2 v3(70.9,51.35) ; J7.MP2 v3(68.05,66.6)
  Top w0.25: 80.56,80.28 C81.2
  Top w0.5: J7.50 71.7,55.15 v2(71.95,54.9) ; v2(92.9,54.8) 93.3,55.2 J7.4 ; v2(73.65,67.5) 74.5,66.65 J7.43 ; v2(91.3,67) J7.9 ; v2(78.1,55) J7.34 ; v2(84.5,55.05) J7.18 ; J7.40 v2(75.7,54.95) ; v2(88.9,67) J7.15 ; v2(81,55.15) 81.3,55.45 J7.26 ; 87.2,112.61 U6.1 ; v2(7.5,9.7) IC2.1 ; J7.27 80.9,67.25 v2(81.2,67.55) ; J7.29 v2(80.1,67.55) ; J2.5 17.37,120.24 C87.2 17.61,122.06 IC8.3 IC8.4 ; IC2.28 v2(7.5,30.1) ; v2(83.3,67) J7.21 ; J7.37 76.9,66.85 v2(77.65,67.6) 77.7,67.55 J7.35
  Bottom w0.2: JP11.2 v3(75.1,83.2)